# Altium PCB MiniPC.PcbDoc (part 7 of 23) (continued)
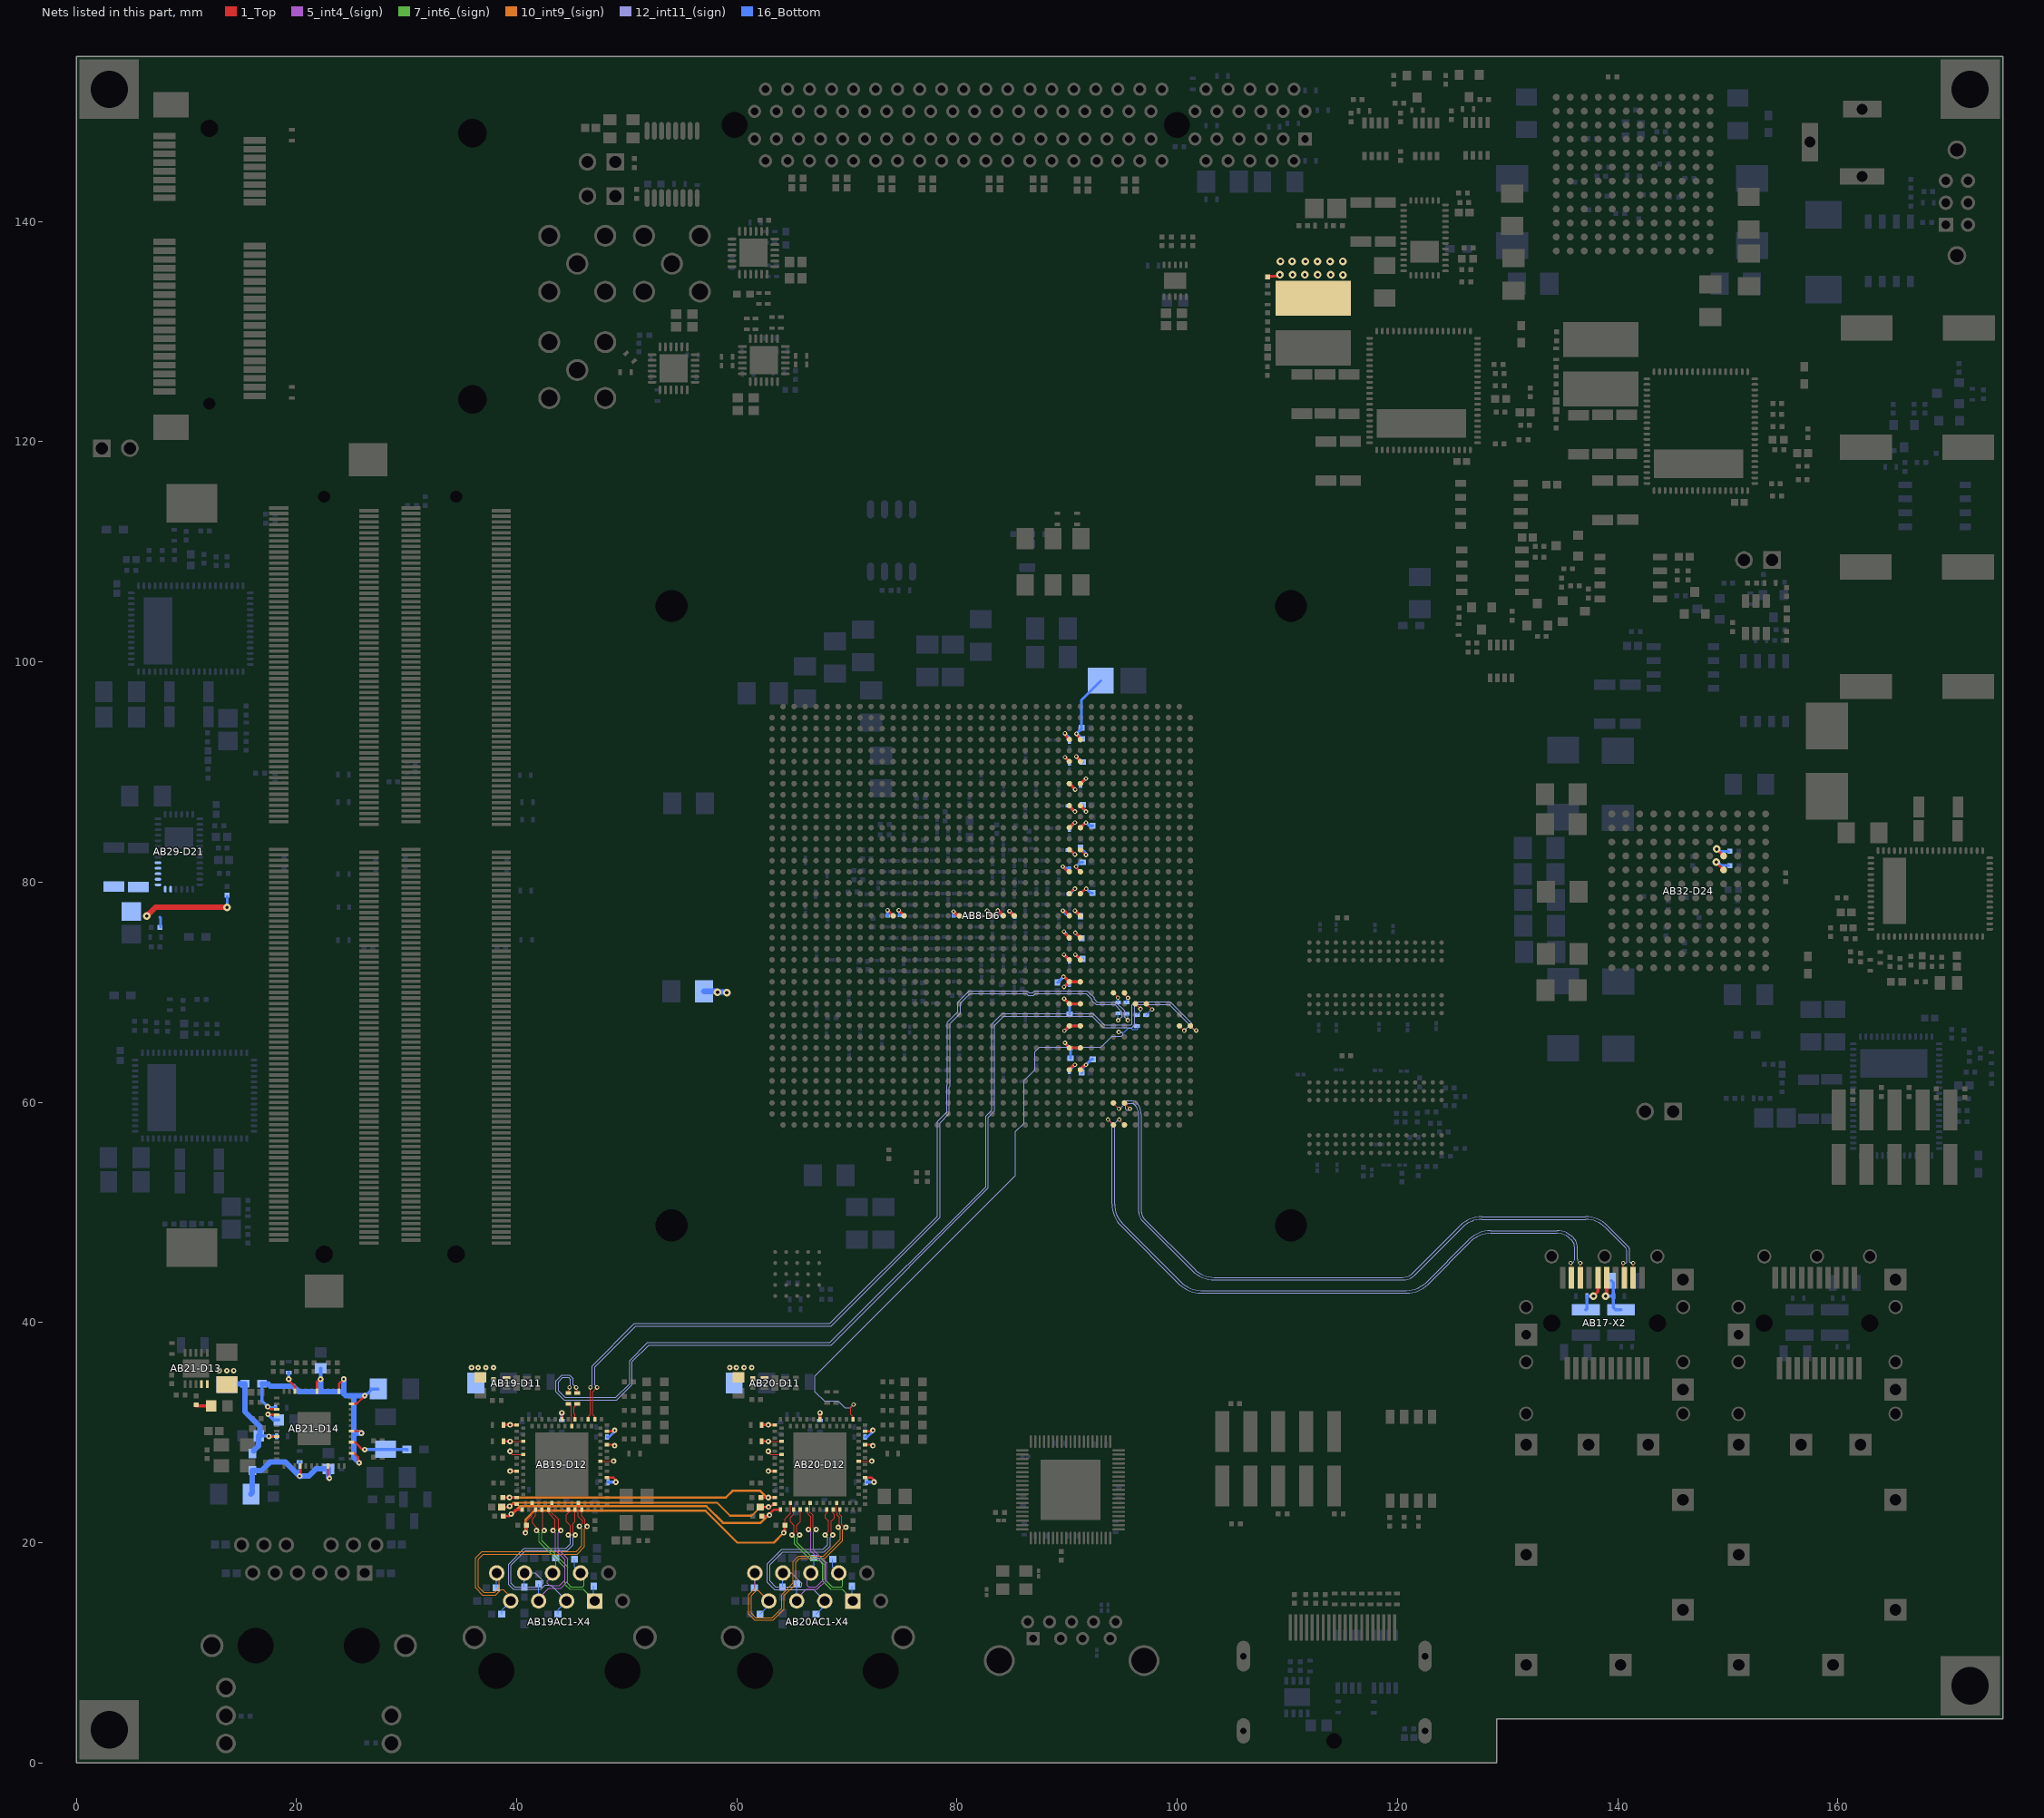
[diagram p21: the nets of this part, all layers, seen from the top]
## Part data (continued)
  AB31-R256: New_des=R256, Old_des=R105
AB27-C465 AB30-C493: library part E9, "Chip Capacitor, 27 pF, +/- 5%, 50 V, -55 to 125 degC, 0402 (1005 Metric), RoHS, Tape and Reel", Capacitance="27 pF", Case\/Package=0402, Case Code (Metric)=1005, Max Operating Temperature="125 degC", Min Operating Temperature="-55 degC", Package Quantity=10000, Tolerance=5%, Type (Capacitors)=C0G, Voltage Rating="50 V", Case Code (Imperial)=0402, ComponentLink1Description="Manufacturer URL", ComponentLink1URL=http://www.panasonic.com/, ComponentLink2Description=Datasheet, ComponentLink2URL=http://media.digikey.com/pdf/Data%20Sheets/Panasonic%20Capacitors%20PDFs/ECJ_(General).pdf, DatasheetVersion=09/2008, Height="0.5 mm", Length="0.039 inch", Mount="Surface Mount", Mounting Technology="Surface Mount", PackageDescription="2-Pin Surface Mount Device, Body 1 x 0.5 mm", PackageReference=0402, Packaging="Tape and Reel", RoHSCompliant=true, UID=E9, Width="0.02 inch", Тип элемента=Конденсатор
  AB27-C465: New_des=C465, Old_des=C17
  AB30-C493: New_des=C493, Old_des=C51
AB27-D19 AB30-D22: library part E107, "PowerSoC Highly Integrated Synchronous Buck with Integrated Inductor, 2.5 to 6.6 V Input, -40 to 85 degC, 76-Pin QFN, RoHS, Tape and Reel", Max Operating Temperature="85 degC", Min Operating Temperature="-40 degC", Output Current="12 A", Package Quantity=250, ComponentLink1Description="Manufacturer URL", ComponentLink1URL=https://www.altera.com/, ComponentLink2Description=Datasheet, ComponentLink2URL=https://www.altera.com/content/dam/altera-www/global/en_US/pdfs/literature/ds/en63a0qi_07077.pdf, ComponentLink3Description="Package Specification", ComponentLink3URL=http://wl.altera.com/literature/ds/EN63A0QA_10398.pdf, DatasheetVersion="Rev. H", Height="0.12 inch", Length="0.43 inch", Mount="Surface Mount", Mounting Technology="Surface Mount", PackageDescription="76-Pin Quad-Flat No-Leads Package, Body 11 x 10 mm, Pitch 0.5 mm, Thermal Pad 2.6x8.1mm", PackageVersion="Rev. A, 10/2014", Packaging="Tape and Reel", PartNumber=EN63A0QI, Pins=76, Radiation Hardening=No, RoHSCompliant=True, UID=E107, Width="0.39 inch", Тип элемента=Стабилизатор
  AB27-D19: New_des=D19, Old_des=U3
  AB30-D22: New_des=D22, Old_des=U7
AB27-R201 AB28-R214: library part E69, "Chip Resistor, 3.57 KOhm, +/- 1%, 63 mW, -55 to 155 degC, 0402 (1005 Metric), RoHS, Tape and Reel", Case/Package=0402, Case Code (Metric)=1005, Max Operating Temperature="155 degC", Min Operating Temperature="-55 degC", Package Quantity=10, Power Rating="63 mW", Resistance="3.57 KOhm", Tolerance=1%, Voltage Rating="50 V", Case Code (Imperial)=0402, ComponentLink1Description="Manufacturer URL", ComponentLink1URL=http://www.vishay.com/, ComponentLink2Description=Datasheet, ComponentLink2URL=http://www.vishay.com/docs/20035/dcrcwe3.pdf, Height="0.35 mm", Length="1 mm", Mount="Surface Mount", Mounting Technology="Surface Mount", PackageDescription="2-Pin Surface Mount Device, Body 1 x 0.5 mm", Packaging="Cut Tape", PartNumber=CRCW04023K57FKED, REACH SVHC=Unknown, RoHSCompliant=True, UID=E69, Width="0.5 mm", Тип элемента=Резистор
  AB27-R201: New_des=R201, Old_des=R48
  AB28-R214: New_des=R214, Old_des=R35
AB27-R206: library part E70, "Chip Resistor, 226 KOhm, +/- 1%, 100 mW, -55 to 155 degC, 0402 (1005 Metric), RoHS, Tape and Reel", Case\/Package=0402, Case Code (Metric)=1005, Manufacturer="Basic Passives", Max Operating Temperature="155 degC", Min Operating Temperature="-55 degC", Package Quantity=10000, Power Rating="100 mW", Resistance="226 KOhm", Tolerance=1%, Voltage Rating="50 V", Case Code (Imperial)=0402, ComponentLink1Description="Manufacturer URL", ComponentLink1URL=http://www.panasonic.com/, ComponentLink2Description=Datasheet, ComponentLink2URL=http://industrial.panasonic.com/cdbs/www-data/pdf/RDA0000/AOA0000C86.pdf, DatasheetVersion=04/2015, Height="0.35 mm", Length="1 mm", Mount="Surface Mount", Mounting Technology="Surface Mount", New_des=R206, Old_des=R36, PackageDescription="2-Pin Surface Mount Device, Body 1 x 0.5 mm", PackageReference=0402, Packaging="Tape and Reel", PartNumber=ERJ-2RKF2263X, Pins=2, Radiation Hardening=No, REACH SVHC=Unknown, RoHSCompliant=true, UID=E70, Weight=2.8E-05oz, Width="0.5 mm", Тип элемента=Резистор
AB27-R207: library part E71, "Chip Resistor, 12 KOhm, +/- 1%, 0.1 W, -55 to 155 degC, 0402 (1005 Metric), RoHS, Tape and Reel", Case\/Package=0402, Case Code (Metric)=1005, Max Operating Temperature="155 degC", Min Operating Temperature="-55 degC", Package Quantity=10000, Power Rating="100 mW", Resistance="12 KOhm", Tolerance=1%, Voltage Rating="50 V", Case Code (Imperial)=0402, ComponentLink1Description="Manufacturer URL", ComponentLink1URL=http://www.panasonic.com/, ComponentLink2Description=Datasheet, ComponentLink2URL=http://industrial.panasonic.com/cdbs/www-data/pdf/RDA0000/AOA0000C86.pdf, DatasheetVersion=04/2015, Height="0.35 mm", Length="1 mm", Mount="Surface Mount", Mounting Technology="Surface Mount", New_des=R207, Old_des=R37, PackageDescription="2-Pin Surface Mount Device, Body 1 x 0.5 mm", PackageReference=0402, Packaging="Tape and Reel", PartNumber=ERJ-2RKF1202X, Pins=2, REACH SVHC=Yes, RoHSCompliant=true, UID=E71, Width="0.5 mm", Тип элемента=Резистор
AB27-R211 AB30-R248: library part E72, "Chip Resistor, 0.25 mOhm, +/- 1%, 4 W, -55 to 225 degC, 2725 (6865 Metric), RoHS, Tape and Reel", Max Operating Temperature="225 degC", Min Operating Temperature="-55 degC", Package Quantity=1000, Resistance="0.25 mOhm", Tolerance=1%, ComponentLink1Description="Manufacturer URL", ComponentLink1URL=https://www.seielect.com/, ComponentLink2Description=Datasheet, ComponentLink2URL=https://www.seielect.com/catalog/SEI-CSS_CSSH.PDF, DatasheetVersion=06/2016, Height="0.049 inch", Length="0.268 inch", Mounting Technology="Surface Mount", PackageDescription="2-Pin Surface Mount Device, Body 6.81 x 6.45 mm", Packaging="Tape and Reel", PartNumber=CSS2725FTL250, Radiation Hardening=No, RoHSCompliant=True, UID=E72, Width="0.254 inch", Тип элемента=Резистор
  AB27-R211: New_des=R211, Old_des=R42
  AB30-R248: New_des=R248, Old_des=R96
AB28-R220: library part E61, "Chip Resistor, 324 KOhm, +/- 1%, 100 mW, -55 to 155 degC, 0402 (1005 Metric), RoHS, Tape and Reel", Case\/Package=0402, Case Code (Metric)=1005, Manufacturer="Basic Passives", Max Operating Temperature="155 degC", Min Operating Temperature="-55 degC", Package Quantity=10000, Power Rating="100 mW", Resistance="324 KOhm", Tolerance=1%, Voltage Rating="50 V", Case Code (Imperial)=0402, ComponentLink1Description="Manufacturer URL", ComponentLink1URL=http://www.panasonic.com/, ComponentLink2Description=Datasheet, ComponentLink2URL=http://industrial.panasonic.com/cdbs/www-data/pdf/RDA0000/AOA0000C86.pdf, DatasheetVersion=04/2015, Height="0.35 mm", Length="1 mm", Mount="Surface Mount", Mounting Technology="Surface Mount", New_des=R220, Old_des=R21, PackageDescription="2-Pin Surface Mount Device, Body 1 x 0.5 mm", PackageReference=0402, Packaging="Tape and Reel", PartNumber=ERJ-2RKF3243X, Pins=2, REACH SVHC=Yes, RoHSCompliant=true, UID=E61, Width="0.5 mm", Тип элемента=Резистор
AB28-R222: library part E68, "Chip Resistor, 1.78 MOhm, +/- 1%, 63 mW, -55 to 155 degC, 0402 (1005 Metric), RoHS, Tape and Reel", Case\/Package=0402, Case Code (Metric)=1005, Manufacturer="Basic Passives", Max Operating Temperature="155 degC", Min Operating Temperature="-55 degC", Package Quantity=10000, Power Rating="63 mW", Resistance="1.78 MOhm", Tolerance=1%, Voltage Rating="50 V", Case Code (Imperial)=0402, ComponentLink1Description="Manufacturer URL", ComponentLink1URL=http://www.vishay.com/, ComponentLink2Description=Datasheet, ComponentLink2URL=http://www.vishay.com/docs/20035/dcrcwe3.pdf, DatasheetVersion=06/2012, Height="0.35 mm", Length="1 mm", Mount="Surface Mount", Mounting Technology="Surface Mount", New_des=R222, Old_des=R32, PackageDescription="2-Pin Surface Mount Device, Body 1 x 0.5 mm", PackageReference=0402, Packaging="Tape and Reel", PartNumber=CRCW04021M78FKED, Pins=2, Radiation Hardening=No, REACH SVHC=Unknown, RoHSCompliant=true, UID=E68, Weight=2.3E-05oz, Width="0.5 mm", Тип элемента=Резистор
AB29-C484 AB31-C500: library part E10, "Chip Capacitor,15 pF, +/- 5%, 50 V, -55 to 125 degC, 0402 (1005 Metric), RoHS, Tape and Reel", Capacitance="15 pF", Case\/Package=0402, Case Code (Metric)=1005, Max Operating Temperature="125 degC", Min Operating Temperature="-55 degC", Package Quantity=10000, Tolerance=5%, Type (Capacitors)=C0G, Voltage Rating="50 V", Case Code (Imperial)=0402, ComponentLink1Description="Manufacturer URL", ComponentLink1URL=http://www.panasonic.com/, ComponentLink2Description=Datasheet, ComponentLink2URL=http://www.mouser.com/ds/2/315/panasonic_abj0000ce4-327307.pdf, DatasheetVersion=09/2008, Height="0.5 mm", Length="0.039 inch", Mount="Surface Mount", Mounting Technology="Surface Mount", PackageDescription="2-Pin Surface Mount Device, Body 1 x 0.5 mm", PackageReference=0402, Packaging="Tape and Reel", RoHSCompliant=true, UID=E10, Width="0.02 inch", Тип элемента=Конденсатор
  AB29-C484: New_des=C484, Old_des=C48
  AB31-C500: New_des=C500, Old_des=C64
AB29-D21 AB31-D23: library part E108, "PowerSoC Voltage Mode Synchronous PWM Buck with Integrated Inductor, 2.5 to 6.6 V Input, -40 to 85 degC, 38-Pin QFN, RoHS, Tape and Reel", Max Operating Temperature="85 degC", Min Operating Temperature="-40 degC", Output Current="3 A", Package Quantity=500, ComponentLink1Description="Manufacturer URL", ComponentLink1URL=https://www.altera.com/, ComponentLink2Description=Datasheet, ComponentLink2URL=https://www.altera.com/content/dam/altera-www/global/en_US/pdfs/literature/ds/en6337qi_05800.pdf, DatasheetVersion="Rev. E", Height="0.07 inch", Length="0.28 inch", Mount="Surface Mount", Mounting Technology="Surface Mount", PackageDescription="38-Pin Quad Flat No-Leads Package, Body 7 x 4 mm, Pitch 0.5 mm, Thermal Pad 2.6 x 1.94 mm", Packaging="Tape and Reel", PartNumber=EN6337QI, Pins=38, Radiation Hardening=No, RoHSCompliant=True, UID=E108, Width="0.16 inch", Тип элемента=Стабилизатор
  AB29-D21: New_des=D21, Old_des=U6
  AB31-D23: New_des=D23, Old_des=U8
AB29-R231 AB31-R253: library part E80, "Chip Resistor, 200 KOhm, +/- 1%, 100 mW, -55 to 155 degC, 0402 (1005 Metric), RoHS, Tape and Reel", Case\/Package=0402, Case Code (Metric)=1005, Manufacturer="Basic Passives", Max Operating Temperature="155 degC", Min Operating Temperature="-55 degC", Package Quantity=10000, Power Rating="100 mW", Resistance="200 KOhm", Tolerance=1%, Voltage Rating="50 V", Case Code (Imperial)=0402, ComponentLink1Description="Manufacturer URL", ComponentLink1URL=http://www.panasonic.com/, ComponentLink2Description=Datasheet, ComponentLink2URL=http://industrial.panasonic.com/cdbs/www-data/pdf/RDA0000/AOA0000C86.pdf, DatasheetVersion=04/2015, Height="0.35 mm", Length="1 mm", Mount="Surface Mount", Mounting Technology="Surface Mount", PackageDescription="2-Pin Surface Mount Device, Body 1 x 0.5 mm", PackageReference=0402, Packaging="Tape and Reel", PartNumber=ERJ-2RKF2003X, Pins=2, Radiation Hardening=No, REACH SVHC="No SVHC", RoHSCompliant=true, UID=E80, Width="0.5 mm", Тип элемента=Резистор
  AB29-R231: New_des=R231, Old_des=R86
  AB31-R253: New_des=R253, Old_des=R108
AB30-R243 AB35-R300: library part E82, "Chip Resistor, 80.6 KOhm, +/- 1%, 100 mW, -55 to 155 degC, 0402 (1005 Metric), RoHS, Tape and Reel", Case\/Package=0402, Case Code (Metric)=1005, Manufacturer="Basic Passives", Max Operating Temperature="155 degC", Min Operating Temperature="-55 degC", Package Quantity=1, Power Rating="100 mW", Resistance="80.6 KOhm", Tolerance=1%, Voltage Rating="50 V", Case Code (Imperial)=0402, ComponentLink1Description="Manufacturer URL", ComponentLink1URL=http://www.panasonic.com/, ComponentLink2Description=Datasheet, ComponentLink2URL=http://industrial.panasonic.com/cdbs/www-data/pdf/RDA0000/AOA0000C86.pdf, DatasheetVersion=04/2015, Height="0.35 mm", Length="1 mm", Mount="Surface Mount", Mounting Technology="Surface Mount", PackageDescription="2-Pin Surface Mount Device, Body 1 x 0.5 mm", PackageReference=0402, Packaging="Tape and Reel", PartNumber=ERJ-2RKF8062X, Pins=2, REACH SVHC="No SVHC", RoHSCompliant=true, UID=E82, Width="0.5 mm", Тип элемента=Резистор
  AB30-R243: New_des=R243, Old_des=R90
  AB35-R300: New_des=R300, Old_des=R174
AB31-R252: library part E83, "Chip Resistor, 86.6 KOhm, +/- 1%, 100 mW, -55 to 155 degC, 0402 (1005 Metric), RoHS, Tape and Reel", Case\/Package=0402, Case Code (Metric)=1005, Manufacturer="Basic Passives", Max Operating Temperature="155 degC", Min Operating Temperature="-55 degC", Package Quantity=10000, Power Rating="100 mW", Resistance="86.6 KOhm", Tolerance=1%, Voltage Rating="50 V", Case Code (Imperial)=0402, ComponentLink1Description="Manufacturer URL", ComponentLink1URL=http://www.panasonic.com/, ComponentLink2Description=Datasheet, ComponentLink2URL=http://industrial.panasonic.com/cdbs/www-data/pdf/RDA0000/AOA0000C86.pdf, DatasheetVersion=04/2015, Height="0.35 mm", Length="1 mm", Mount="Surface Mount", Mounting Technology="Surface Mount", New_des=R252, Old_des=R110, PackageDescription="2-Pin Surface Mount Device, Body 1 x 0.5 mm", PackageReference=0402, Packaging="Tape and Reel", PartNumber=ERJ-2RKF8662X, Pins=2, REACH SVHC=Yes, RoHSCompliant=true, UID=E83, Width="0.5 mm", Тип элемента=Резистор
AB32-C506: library part E15, "Chip Capacitor, 1.8 nF, +/- 5%, 16 V, -55 to 125 degC, 0402 (1005 Metric), RoHS, Tape and Reel", Capacitance="1800 pF", Case\/Package=0402, Case Code (Metric)=1005, Max Operating Temperature="125 degC", Min Operating Temperature="-55 degC", Package Quantity=10000, Tolerance=5%, Type (Capacitors)=X7R, Voltage Rating="16 V", Case Code (Imperial)=0402, ComponentLink1Description="Manufacturer URL", ComponentLink1URL=http://www.vishay.com/, ComponentLink2Description=Datasheet, ComponentLink2URL=http://www.vishay.com/docs/28548/vjw1bcbascomseries.pdf, DatasheetVersion=07/2016, Height="0.5 mm", Length="1 mm", Mount="Surface Mount", Mounting Technology="Surface Mount", New_des=C506, Old_des=C94, PackageDescription="2-Pin Surface Mount Device, Body 1 x 0.5 mm", PackageReference=0402, Packaging="Tape and Reel", PartNumber=VJ0402Y182JXJCW1BC, Pins=2, RoHSCompliant=true, UID=E15, Voltage Rating (DC)="16 V", Width="0.5 mm", Тип элемента=Конденсатор
AB32-D24: library part E110, "Dual 18 A or Single 36 A uModule Regulator with Digital Power System Management, 4.5 to 16 V Input, 0.5 to 1.8 V Output, -40 to 125 degC, 144-Ball BGA, RoHS, Tray", Manufacturer="Linear Technology", ComponentLink1Description="Manufacturer URL", ComponentLink1URL=http://www.linear.com/, ComponentLink2Description=Datasheet, ComponentLink2URL=http://cds.linear.com/docs/en/datasheet/4677f.pdf, ComponentLink3Description="Package Specification", ComponentLink3URL=http://www.linear.com/docs/41077, DatasheetVersion="Rev. F", Mounting Technology="Surface Mount", New_des=D24, Old_des=U10, PackageDescription="144-Ball Ball Grid Array, Body 16 x 16 mm, Pitch 1.27 mm", PackageReference=BGA-144, PackageVersion="Rev. B, 02/2013", PartNumber=LTM4677IY#PBF, UID=E110, Тип элемента=Стабилизатор
AB32-R261: library part E86, "Chip Resistor, 17.8 KOhm, +/- 1%, 100 mW, -55 to 155 degC, 0402 (1005 Metric), RoHS, Tape and Reel", Case\/Package=0402, Case Code (Metric)=1005, Manufacturer="Basic Passives", Max Operating Temperature="155 degC", Min Operating Temperature="-55 degC", Package Quantity=10000, Power Rating="100 mW", Resistance="17.8 KOhm", Tolerance=1%, Voltage Rating="50 V", Case Code (Imperial)=0402, ComponentLink1Description="Manufacturer URL", ComponentLink1URL=http://www.panasonic.com/, ComponentLink2Description=Datasheet, ComponentLink2URL=http://industrial.panasonic.com/cdbs/www-data/pdf/RDA0000/AOA0000C86.pdf, DatasheetVersion=04/2015, Height="0.35 mm", Length="1 mm", Mount="Surface Mount", Mounting Technology="Surface Mount", New_des=R261, Old_des=R152, PackageDescription="2-Pin Surface Mount Device, Body 1 x 0.5 mm", PackageReference=0402, Packaging="Tape and Reel", PartNumber=ERJ-2RKF1782X, Pins=2, REACH SVHC=Unknown, RoHSCompliant=true, UID=E86, Width="0.5 mm", Тип элемента=Резистор
AB33-VT7 AB33-VT8 AB36-VT17: library part E51, "P-Channel Enhancement Mode MOSFET, 20 V, -55 to 150 degC, 3-Pin SOT23, RoHS, Tape and Reel", Manufacturer="Diodes Inc", ComponentLink1Description="Manufacturer URL", ComponentLink1URL=http://www.diodes.com/, ComponentLink2Description=Datasheet, ComponentLink2URL=http://www.diodes.com/_files/datasheets/DMG2305UX.pdf, DatasheetVersion="Rev. 5-2", Mounting Technology="Surface Mount", PackageDescription="3-Pin Small Outline Transistor, Body 2.9 x 1.3 mm, Pitch 0.915 mm", PackageReference=SOT23-3, PartNumber=DMG2305UX-7, UID=E51, Тип элемента="МДП-транзистор, индуцированный P канал"
  AB33-VT7: New_des=VT7, Old_des=Q10
  AB33-VT8: New_des=VT8, Old_des=Q11
  AB36-VT17: New_des=VT17, Old_des=Q2
AB33-VT9 AB33-VT10 AB33-VT11 AB36-VT21: library part E50, "P-Channel MOSFET, 20 V, -50 to 150 degC, 8-Pin SMD (PPAK1212-8S), RoHS, Tape and Reel", ComponentLink1Description="Manufacturer URL", ComponentLink1URL=http://www.vishay.com/, ComponentLink2Description=Datasheet, ComponentLink2URL=http://www.vishay.com/docs/62852/siss23dn.pdf, ComponentLink3Description="Package Specification", ComponentLink3URL=http://www.vishay.com/docs/63919/caseoutl.pdf, DatasheetVersion="Rev. A", Mounting Technology="Surface Mount", PackageDescription="8-Pin Surface Mount Device, Body 3.3 x 3.3 mm, Pitch 0.66 mm", PackageVersion="Rev. A, 03/2012", PartNumber=SiSS23DN-T1-GE3, UID=E50, Тип элемента="МДП-транзистор, индуцированный P канал"
  AB33-VT9: New_des=VT9, Old_des=Q8
  AB33-VT10: New_des=VT10, Old_des=Q9
  AB33-VT11: New_des=VT11, Old_des=Q12
  AB36-VT21: New_des=VT21, Old_des=Q1
AB34-C521 AB34-C522 AB34-C523 AB34-C524: library part E12, "Aluminum Electrolytic Capacitor, 330 uF, +/- 20%, 25 V, -55 to 105 degC, 2-Pin CAPAE, RoHS, Tape and Reel", Capacitance="330 uF", Case\/Package=G, Max Operating Temperature="105 degC", Min Operating Temperature="-55 degC", Package Quantity=500, Tolerance=20%, Voltage Rating="25 V", ComponentLink1Description="Manufacturer URL", ComponentLink1URL=http://www.panasonic.com/, ComponentLink2Description=Datasheet, ComponentLink2URL=https://datasheet.ciiva.com/25613/0900766b81233638-25613835.pdf, DatasheetVersion=10/2014, Height="10.5 mm", Length="10.2 mm", Mount="Surface Mount", Mounting Technology="Surface Mount", PackageDescription="2-Pin Aluminum Electrolytic Capacitor, Body 10.2 x 10.2 mm, Diameter 10 mm", PackageReference=EEH-ZA1E331P, Packaging="Tape and Reel", Radiation Hardening=No, REACH SVHC=Unknown, RoHSCompliant=true, UID=E12, Voltage Rating (DC)="25 V", Тип элемента=Конденсатор
  AB34-C521: New_des=C521, Old_des=C74
  AB34-C522: New_des=C522, Old_des=C75
  AB34-C523: New_des=C523, Old_des=C76
  AB34-C524: New_des=C524, Old_des=C77
AB34-S2: library part E103, "Slide Switch DPDT, 30 V, -20 to 70 degC, 6-Pin THD, RoHS, Bulk", Max Operating Temperature="70 degC", Min Operating Temperature="-20 degC", Package Quantity=1000, ComponentLink1Description="Manufacturer URL", ComponentLink1URL=http://www.e-switch.ch/en/, ComponentLink2Description=Datasheet, ComponentLink2URL=https://datasheet.ciiva.com/16174/p040100-16174286.pdf, DatasheetVersion="Rev. E", Height="7.7 mm", Length="10 mm", Mount="Through Hole", Mounting Technology="Through Hole", New_des=S2, Old_des=SW1, PackageDescription="6-Pin Throung Hole Device, Body 10 x 6 mm, Pitch 2 mm", Packaging=Bulk, PartNumber=EG2207, REACH SVHC="No SVHC", RoHSCompliant=True, UID=E103, Width="6 mm", Тип элемента="Набор 2 ключа"
AB34-VD6: library part E28, "Surface Mount Schottky Barrier Rectifier, 5 A, 0.55 V, -55 to 150 degC, 2-Pin SMD, RoHS, Tape and Reel", Manufacturer="Diodes Inc", ComponentLink1Description="Manufacturer URL", ComponentLink1URL=http://www.diodes.com/, ComponentLink2Description=Datasheet, ComponentLink2URL=http://www.diodes.com/_files/datasheets/ds13012.pdf, DatasheetVersion="Rev. 16-2", Mounting Technology="Surface Mount", New_des=VD6, Old_des=D1, PackageDescription="2-Pin Surface Mount Device, Body 5.905 x 6.855 mm", PackageReference=SMC-2, PartNumber=B530C-13-F, UID=E28, Тип элемента="Диод Шоттки"
AB34-VT14: library part E55, "P-Channel Enhancement Mode MOSFET, -30 V VDS, -55 to 155 degC, 3-Pin SOT23, RoHS, Tape and Reel", Manufacturer="Diodes Inc", Operating Temperature Range="-55 to 150 degC", ComponentLink1Description="Manufacturer URL", ComponentLink1URL=http://www.diodes.com/, ComponentLink2Description=Datasheet, ComponentLink2URL=http://www.diodes.com/datasheets/ds31447.pdf, ComponentLink3Description="Package Specification", ComponentLink3URL=http://www.diodes.com/datasheets/ap02002.pdf, DatasheetVersion="Rev. 8 - 2", IDS (TA="25 degC)=-3.8 A", Mounting Technology="Surface Mount", New_des=VT14, Old_des=Q22, PackageDescription="3-Pin Small Outline Transistor, Body 1.3 x 2.9 mm, Pitch 0.95 mm", PackageReference=SOT23, PackageVersion="Rev. 75", Packing="Tape and Reel", PartNumber=DMP3098L-7, PD (TA="25 degC)=1.08 W", RDS(on) (Max#) (VGS="4.5 V)=120 mOhm", RoHS=TRUE, UID=E55, VDS="-30 V", VGS="+/- 20 V", VGS(th) (Max#)="-2.1 V", Тип элемента="МДП-транзистор, индуцированный P канал"
AB34-X3: library part E33, "DC Power Jack, Female, -10 to 70 degC, 3-Pin THD, RoHS", Current Rating="1 A", Max Operating Temperature="70 degC", Min Operating Temperature="-10 degC", Package Quantity=100, Voltage Rating="16 V", ComponentLink1Description="Manufacturer URL", ComponentLink1URL=http://kobiconn.industrialpartner.com/, ComponentLink2Description=Datasheet, ComponentLink2URL=https://datasheet.ciiva.com/12342/kc-300037-195479-12342832.pdf, Connector Type=Power, DatasheetVersion=05/2009, Gender=Female, Mounting Technology="Through Hole", New_des=X3, Old_des=J4, PackageDescription="3-Pin Through Hole Device, Body 8.9916 x 13.4874 mm", PartNumber=16PJ032, RoHSCompliant=false, UID=E33, Тип элемента=Соединитель
AB35-C529: library part E19, "Chip Capacitor, 47 nF, +/- 10%, 25 V, -55 to 125 degC, 0402 (1005 Metric), RoHS, Tape and Reel", Capacitance="47 nF", Case\/Package=0402, Case Code (Metric)=1005, Manufacturer="Basic Passives", Max Operating Temperature="125 degC", Min Operating Temperature="-55 degC", Package Quantity=10000, Tolerance=10%, Type (Capacitors)=X7R, Voltage Rating="25 V", Case Code (Imperial)=0402, ComponentLink1Description="Manufacturer URL", ComponentLink1URL=http://www.murata.com/, ComponentLink2Description=Datasheet, ComponentLink2URL=http://search.murata.co.jp/Ceramy/image/img/A01X/G101/ENG/GRM155R71E473KA88-01.pdf, DatasheetVersion=02/2016, Height="0.5 mm", Lead Pitch="2 mm", Length="1 mm", Mount="Surface Mount", Mounting Technology="Surface Mount", New_des=C529, Old_des=C110, PackageDescription="2-Pin Surface Mount Device, Body 1 x 0.5 mm", PackageReference=0402, Packaging="Tape and Reel", PartNumber=GRM155R71E473KA88D, Pins=2, Radiation Hardening=No, REACH SVHC="No SVHC", RoHSCompliant=true, UID=E19, Voltage Rating (DC)="25 V", Width="0.5 mm", Тип элемента=Конденсатор
AB35-C532: library part E20, "Chip Capacitor, 22 nF, +/- 10%, 25 V, -55 to 125 degC, 0402 (1005 Metric), RoHS, Tape and Reel", Capacitance="22 nF", Case\/Package=0402, Case Code (Metric)=1005, Manufacturer="Basic Passives", Max Operating Temperature="125 degC", Min Operating Temperature="-55 degC", Package Quantity=10000, Tolerance=10%, Type (Capacitors)=X7R, Voltage Rating="25 V", Case Code (Imperial)=0402, ComponentLink1Description="Manufacturer URL", ComponentLink1URL=http://www.murata.com/, ComponentLink2Description=Datasheet, ComponentLink2URL=http://search.murata.co.jp/Ceramy/image/img/A01X/G101/ENG/GRM155R71E223KA61-01.pdf, DatasheetVersion=02/2016, Height="0.5 mm", Lead Pitch="2 mm", Length="1 mm", Mount="Surface Mount", Mounting Technology="Surface Mount", New_des=C532, Old_des=C111, PackageDescription="2-Pin Surface Mount Device, Body 1 x 0.5 mm", PackageReference=0402, Packaging="Tape and Reel", PartNumber=GRM155R71E223KA61D, Pins=2, Radiation Hardening=No, RoHSCompliant=true, UID=E20, Voltage Rating (DC)="25 V", Width="0.5 mm", Тип элемента=Конденсатор
AB35-C535: library part E21, "Chip Capacitor, 680 pF, +/- 10%, 50 V, -55 to 125 degC, 0402 (1005 Metric), RoHS, Tape and Reel", Capacitance="680 pF", Case\/Package=0402, Case Code (Metric)=1005, Manufacturer="Basic Passives", Max Operating Temperature="125 degC", Min Operating Temperature="-55 degC", Package Quantity=10000, Tolerance=10%, Type (Capacitors)=X7R, Voltage Rating="50 V", Case Code (Imperial)=0402, ComponentLink1Description="Manufacturer URL", ComponentLink1URL=http://www.murata.com/, ComponentLink2Description=Datasheet, ComponentLink2URL=http://search.murata.co.jp/Ceramy/image/img/A01X/G101/ENG/GRM155R71H681KA01-01.pdf, DatasheetVersion=02/2016, Height="0.5 mm", Lead Pitch="2 mm", Length="1 mm", Mount="Surface Mount", Mounting Technology="Surface Mount", New_des=C535, Old_des=C117, PackageDescription="2-Pin Surface Mount Device, Body 1 x 0.5 mm", PackageReference=0402, Packaging="Tape and Reel", PartNumber=GRM155R71H681KA01D, Pins=2, Radiation Hardening=No, RoHSCompliant=true, UID=E21, Voltage Rating (DC)="50 V", Width="0.5 mm", Тип элемента=Конденсатор
AB35-C536: library part E18, "Chip Capacitor, 56 pF, +/- 5%, 50 V, -55 to 125 degC, 0402 (1005 Metric), RoHS, Tape and Reel", Capacitance="56 pF", Case\/Package=0402, Case Code (Metric)=1005, Manufacturer="Basic Passives", Max Operating Temperature="125 degC", Min Operating Temperature="-55 degC", Package Quantity=1, Tolerance=5%, Type (Capacitors)=C0G, Voltage Rating="50 V", Case Code (Imperial)=0402, ComponentLink1Description="Manufacturer URL", ComponentLink1URL=http://www.murata.com/, ComponentLink2Description=Datasheet, ComponentLink2URL=http://search.murata.co.jp/Ceramy/image/img/A01X/G101/ENG/GRM1535C1H560JDD5-01.pdf, DatasheetVersion=01/2013, Height="0.3 mm", Length="0.039 inch", Mount="Surface Mount", Mounting Technology="Surface Mount", New_des=C536, Old_des=C108, PackageDescription="2-Pin Surface Mount Device, Body 1 x 0.5 mm", PackageReference=0402, Packaging="Cut Tape", PartNumber=GRM1535C1H560JDD5D, Pins=2, Radiation Hardening=No, RoHSCompliant=true, UID=E18, Voltage Rating (DC)="50 V", Width="0.02 inch", Тип элемента=Конденсатор
AB35-D25: library part E112, "PowerSoC Voltage Mode Synchronous PWM Buck with Integrated Inductor, 4 A, 4.5 to 14 V Input, 0.75 to 5 V Output, -40 to 85 degC, 68-Pin QFN, RoHS, Tape and Reel", Max Operating Temperature="85 degC", Min Operating Temperature="-40 degC", Package Quantity=1, ComponentLink1Description="Manufacturer URL", ComponentLink1URL=https://www.altera.com/, ComponentLink2Description=Datasheet, ComponentLink2URL=https://www.altera.com/content/dam/altera-www/global/en_US/pdfs/literature/ds/en2342qi_09520.pdf, DatasheetVersion="Rev. F", Mount="Surface Mount", Mounting Technology="Surface Mount", New_des=D25, Old_des=U12, PackageDescription="68-Pin Quad Flat No-lead Package, Body 11 x 8 mm, Pitch 0.5 mm, Thermal Pad 2.1 x 6 mm", Packaging="Cut Tape", PartNumber=EN2342QI, Pins=68, RoHSCompliant=True, UID=E112, Тип элемента=Стабилизатор
AB35-F1: library part E31, "154 Series OMNI-BLOK(R) Fuse and Holder Assembly, 125 VAC, 125 VDC, 1 A, -55 to 125 degC, 2-Pin SMD, RoHS", Max Operating Temperature="125 degC", Min Operating Temperature="-55 degC", ComponentLink1Description="Manufacturer URL", ComponentLink1URL=http://www.littelfuse.com/, ComponentLink2Description=Datasheet, ComponentLink2URL=http://www.littelfuse.com/~/media/electronics/datasheets/fuses/littelfuse_fuse_154_154t_154l_154tl_datasheet.pdf.pdf, DatasheetVersion="Rev. Apr-16", Mount="Surface Mount", Mounting Technology="Surface Mount", New_des=F1, Old_des=F1, PackageDescription="2-Pin Surface Mount Device, Body 9.73 x 5.03 mm", PartNumber=154001, Pins=2, RoHSCompliant=False, UID=E31, Тип элемента=Предохранитель
AB35-R291: library part E92, "Chip Resistor, 68.1 KOhm, +/- 1%, 100 mW, -55 to 155 degC, 0402 (1005 Metric), RoHS, Tape and Reel", Case\/Package=0402, Case Code (Metric)=1005, Manufacturer="Basic Passives", Max Operating Temperature="155 degC", Min Operating Temperature="-55 degC", Package Quantity=10000, Power Rating="100 mW", Resistance="68.1 KOhm", Tolerance=1%, Voltage Rating="50 V", Case Code (Imperial)=0402, ComponentLink1Description="Manufacturer URL", ComponentLink1URL=http://www.panasonic.com/, ComponentLink2Description=Datasheet, ComponentLink2URL=http://industrial.panasonic.com/cdbs/www-data/pdf/RDA0000/AOA0000C86.pdf, DatasheetVersion=04/2015, Height="0.35 mm", Length="1 mm", Mount="Surface Mount", Mounting Technology="Surface Mount", New_des=R291, Old_des=R182, PackageDescription="2-Pin Surface Mount Device, Body 1 x 0.5 mm", PackageReference=0402, Packaging="Tape and Reel", PartNumber=ERJ-2RKF6812X, Pins=2, REACH SVHC=Yes, RoHSCompliant=true, UID=E92, Width="0.5 mm", Тип элемента=Резистор
AB35-R293: library part E91, "Chip Resistor, 30.1 KOhm, +/- 1%, 63 mW, -55 to 155 degC, 0402 (1005 Metric), RoHS, Tape and Reel", Case\/Package=0402, Case Code (Metric)=1005, Manufacturer="Basic Passives", Max Operating Temperature="155 degC", Min Operating Temperature="-55 degC", Package Quantity=10000, Power Rating="63 mW", Resistance="30.1 KOhm", Tolerance=1%, Voltage Rating="50 V", Case Code (Imperial)=0402, ComponentLink1Description="Manufacturer URL", ComponentLink1URL=http://www.vishay.com/, ComponentLink2Description=Datasheet, ComponentLink2URL=http://www.vishay.com/docs/20035/dcrcwe3.pdf, DatasheetVersion=06/2012, Height="0.35 mm", Length="1 mm", Mount="Surface Mount", Mounting Technology="Surface Mount", New_des=R293, Old_des=R181, PackageDescription="2-Pin Surface Mount Device, Body 1 x 0.5 mm", PackageReference=0402, Packaging="Tape and Reel", PartNumber=CRCW040230K1FKED, Pins=2, Radiation Hardening=No, REACH SVHC=Unknown, RoHSCompliant=true, UID=E91, Weight=2.3E-05oz, Width="0.5 mm", Тип элемента=Резистор
AB35-R297: library part E93, "Chip Resistor, 4.7 Ohm, +/- 1%, 125 mW, -55 to 125 degC, 0805 (2012 Metric), RoHS, Tape and Reel", Case\/Package=0805, Case Code (Metric)=2012, Max Operating Temperature="125 degC", Min Operating Temperature="-55 degC", Package Quantity=5000, Power Rating="125 mW", Resistance="4.7 Ohm", Tolerance=1%, Case Code (Imperial)=0805, ComponentLink1Description="Manufacturer URL", ComponentLink1URL=http://www.panasonic.com/, ComponentLink2Description=Datasheet, ComponentLink2URL=http://industrial.panasonic.com/cdbs/www-data/pdf/RDA0000/AOA0000C86.pdf, DatasheetVersion=04/2015, Height="0.028 inch", Length="0.079 inch", Mount="Surface Mount", Mounting Technology="Surface Mount", New_des=R297, Old_des=R183, PackageDescription="2-Pin Surface Mount Device, Body 2 x 1.5 mm", PackageReference=0805, Packaging="Tape and Reel", PartNumber=ERJ-6RQF4R7V, Pins=2, Radiation Hardening=No, REACH SVHC="No SVHC", RoHSCompliant=true, UID=E93, Width="0.049 inch", Тип элемента=Резистор
AB35-R298: library part E90, "Chip Resistor, 560 Ohm, +/- 5%, 100 mW, -55 to 155 degC, 0402 (1005 Metric), RoHS, Tape and Reel", Case\/Package=0402, Case Code (Metric)=1005, Manufacturer="Basic Passives", Max Operating Temperature="155 degC", Min Operating Temperature="-55 degC", Package Quantity=10000, Power Rating="100 mW", Resistance="560 Ohm", Tolerance=5%, Voltage Rating="50 V", Case Code (Imperial)=0402, ComponentLink1Description="Manufacturer URL", ComponentLink1URL=http://www.panasonic.com/, ComponentLink2Description=Datasheet, ComponentLink2URL=http://industrial.panasonic.com/cdbs/www-data/pdf/RDA0000/AOA0000C84.pdf, DatasheetVersion=03/2015, Height="0.016 inch", Length="0.039 inch", Mount="Surface Mount", Mounting Technology="Surface Mount", New_des=R298, Old_des=R178, PackageDescription="2-Pin Surface Mount Device, Body 1 x 0.5 mm", PackageReference=0402, Packaging="Tape and Reel", PartNumber=ERJ-2GEJ561x, Pins=2, Radiation Hardening=No, REACH SVHC=Unknown, RoHSCompliant=true, UID=E90, Width="0.02 inch", Тип элемента=Резистор
AB35-R301: library part E89, "Chip Resistor, 14.3 KOhm, +/- 1%, 100 mW, -55 to 155 degC, 0402 (1005 Metric), RoHS, Tape and Reel", Case\/Package=0402, Case Code (Metric)=1005, Manufacturer="Basic Passives", Max Operating Temperature="155 degC", Min Operating Temperature="-55 degC", Package Quantity=1, Power Rating="100 mW", Resistance="14.3 KOhm", Tolerance=1%, Voltage Rating="50 V", Case Code (Imperial)=0402, ComponentLink1Description="Manufacturer URL", ComponentLink1URL=http://www.panasonic.com/, ComponentLink2Description=Datasheet, ComponentLink2URL=http://industrial.panasonic.com/cdbs/www-data/pdf/RDA0000/AOA0000C86.pdf, DatasheetVersion=04/2015, Height="0.35 mm", Length="1 mm", Mount="Surface Mount", Mounting Technology="Surface Mount", New_des=R301, Old_des=R177, PackageDescription="2-Pin Surface Mount Device, Body 1 x 0.5 mm", PackageReference=0402, Packaging="Tape and Reel", PartNumber=ERJ-2RKF1432X, Pins=2, REACH SVHC=Yes, RoHSCompliant=true, UID=E89, Width="0.5 mm", Тип элемента=Резистор
AC2-R314 AC2-R315: library part E101, "Chip Resistor, 220 Ohm, +/- 5%, 100 mW, -55 to 155 degC, 0402 (1005 Metric), RoHS, Tape and Reel", Case\/Package=0402, Case Code (Metric)=1005, Manufacturer="Basic Passives", Max Operating Temperature="155 degC", Min Operating Temperature="-55 degC", Package Quantity=10000, Power Rating="100 mW", Resistance="220 Ohm", Tolerance=5%, Voltage Rating="50 V", Case Code (Imperial)=0402, ClassName=AB21, ComponentLink1Description="Manufacturer URL", ComponentLink1URL=http://www.panasonic.com/, ComponentLink2Description=Datasheet, ComponentLink2URL=http://industrial.panasonic.com/cdbs/www-data/pdf/RDA0000/AOA0000C84.pdf, DatasheetVersion=04/2015, Height="0.35 mm", Length="1 mm", Mount="Surface Mount", Mounting Technology="Surface Mount", PackageDescription="2-Pin Surface Mount Device, Body 1 x 0.5 mm", PackageReference=0402, Packaging="Tape and Reel", PartNumber=ERJ-2GEJ221X, Pins=2, Radiation Hardening=No, REACH SVHC=Unknown, RoHSCompliant=true, UID=E101, Width="0.5 mm", Тип элемента=Резистор
  AC2-R314: New_des=R314, Old_des=R297
  AC2-R315: New_des=R315, Old_des=R298
AC2-X5: library part E38, "Gigabit MagJack(R) Ultra Low Profile, 10/100/1000 Base-T, 19-Pin THD, RoHS, Tray", Case/Package=Metal, Package Quantity=60, ClassName=AB21, ComponentLink1Description="Manufacturer URL", ComponentLink1URL=http://belfuse.com/ethernet/, ComponentLink2Description=Datasheet, ComponentLink2URL=http://belfuse.com/pdfs/L829-1J1T-43.pdf, DatasheetVersion="Rev. G", Height="11.3 mm", Length="17.78 mm", Mount="Through Hole", Mounting Technology="Through Hole", New_des=X5, Old_des=J11, PackageDescription="19-Pin Through Hole Device, Body 23.94 x 17.58 mm, Pitch 2.03 mm", Packaging=Tray, PartNumber=L829-1J1T-43, Pins=8, RoHSCompliant=True, UID=E38, Width="24.13 mm", Тип элемента=Соединитель

## Free pads (board coordinates)
  round 0 hole 2.9: 0(54.069,48.814) 1(110.319,48.814) 2(54.069,105.064) 3(110.319,105.064)
  round 0 hole 2.6: 4(36,148.025) 5(36,123.825)